# Altium PCB PCB.PcbDoc (part 9 of 10)
Units mil, origin at the board's own origin, x right, y up, seen from the top; angles counter-clockwise.
Board outline 4370.08 x 4921.26 mil, 6 copper layers (Component Side, Ground Plane I, Signal Layer 1, Power Plane, Ground Plane II, Solder Side), stack 57.638 mil thick; 274 components, 415 nets, 1726 pads, 902 vias.
Unrouted connection lines stored in the file: 2.
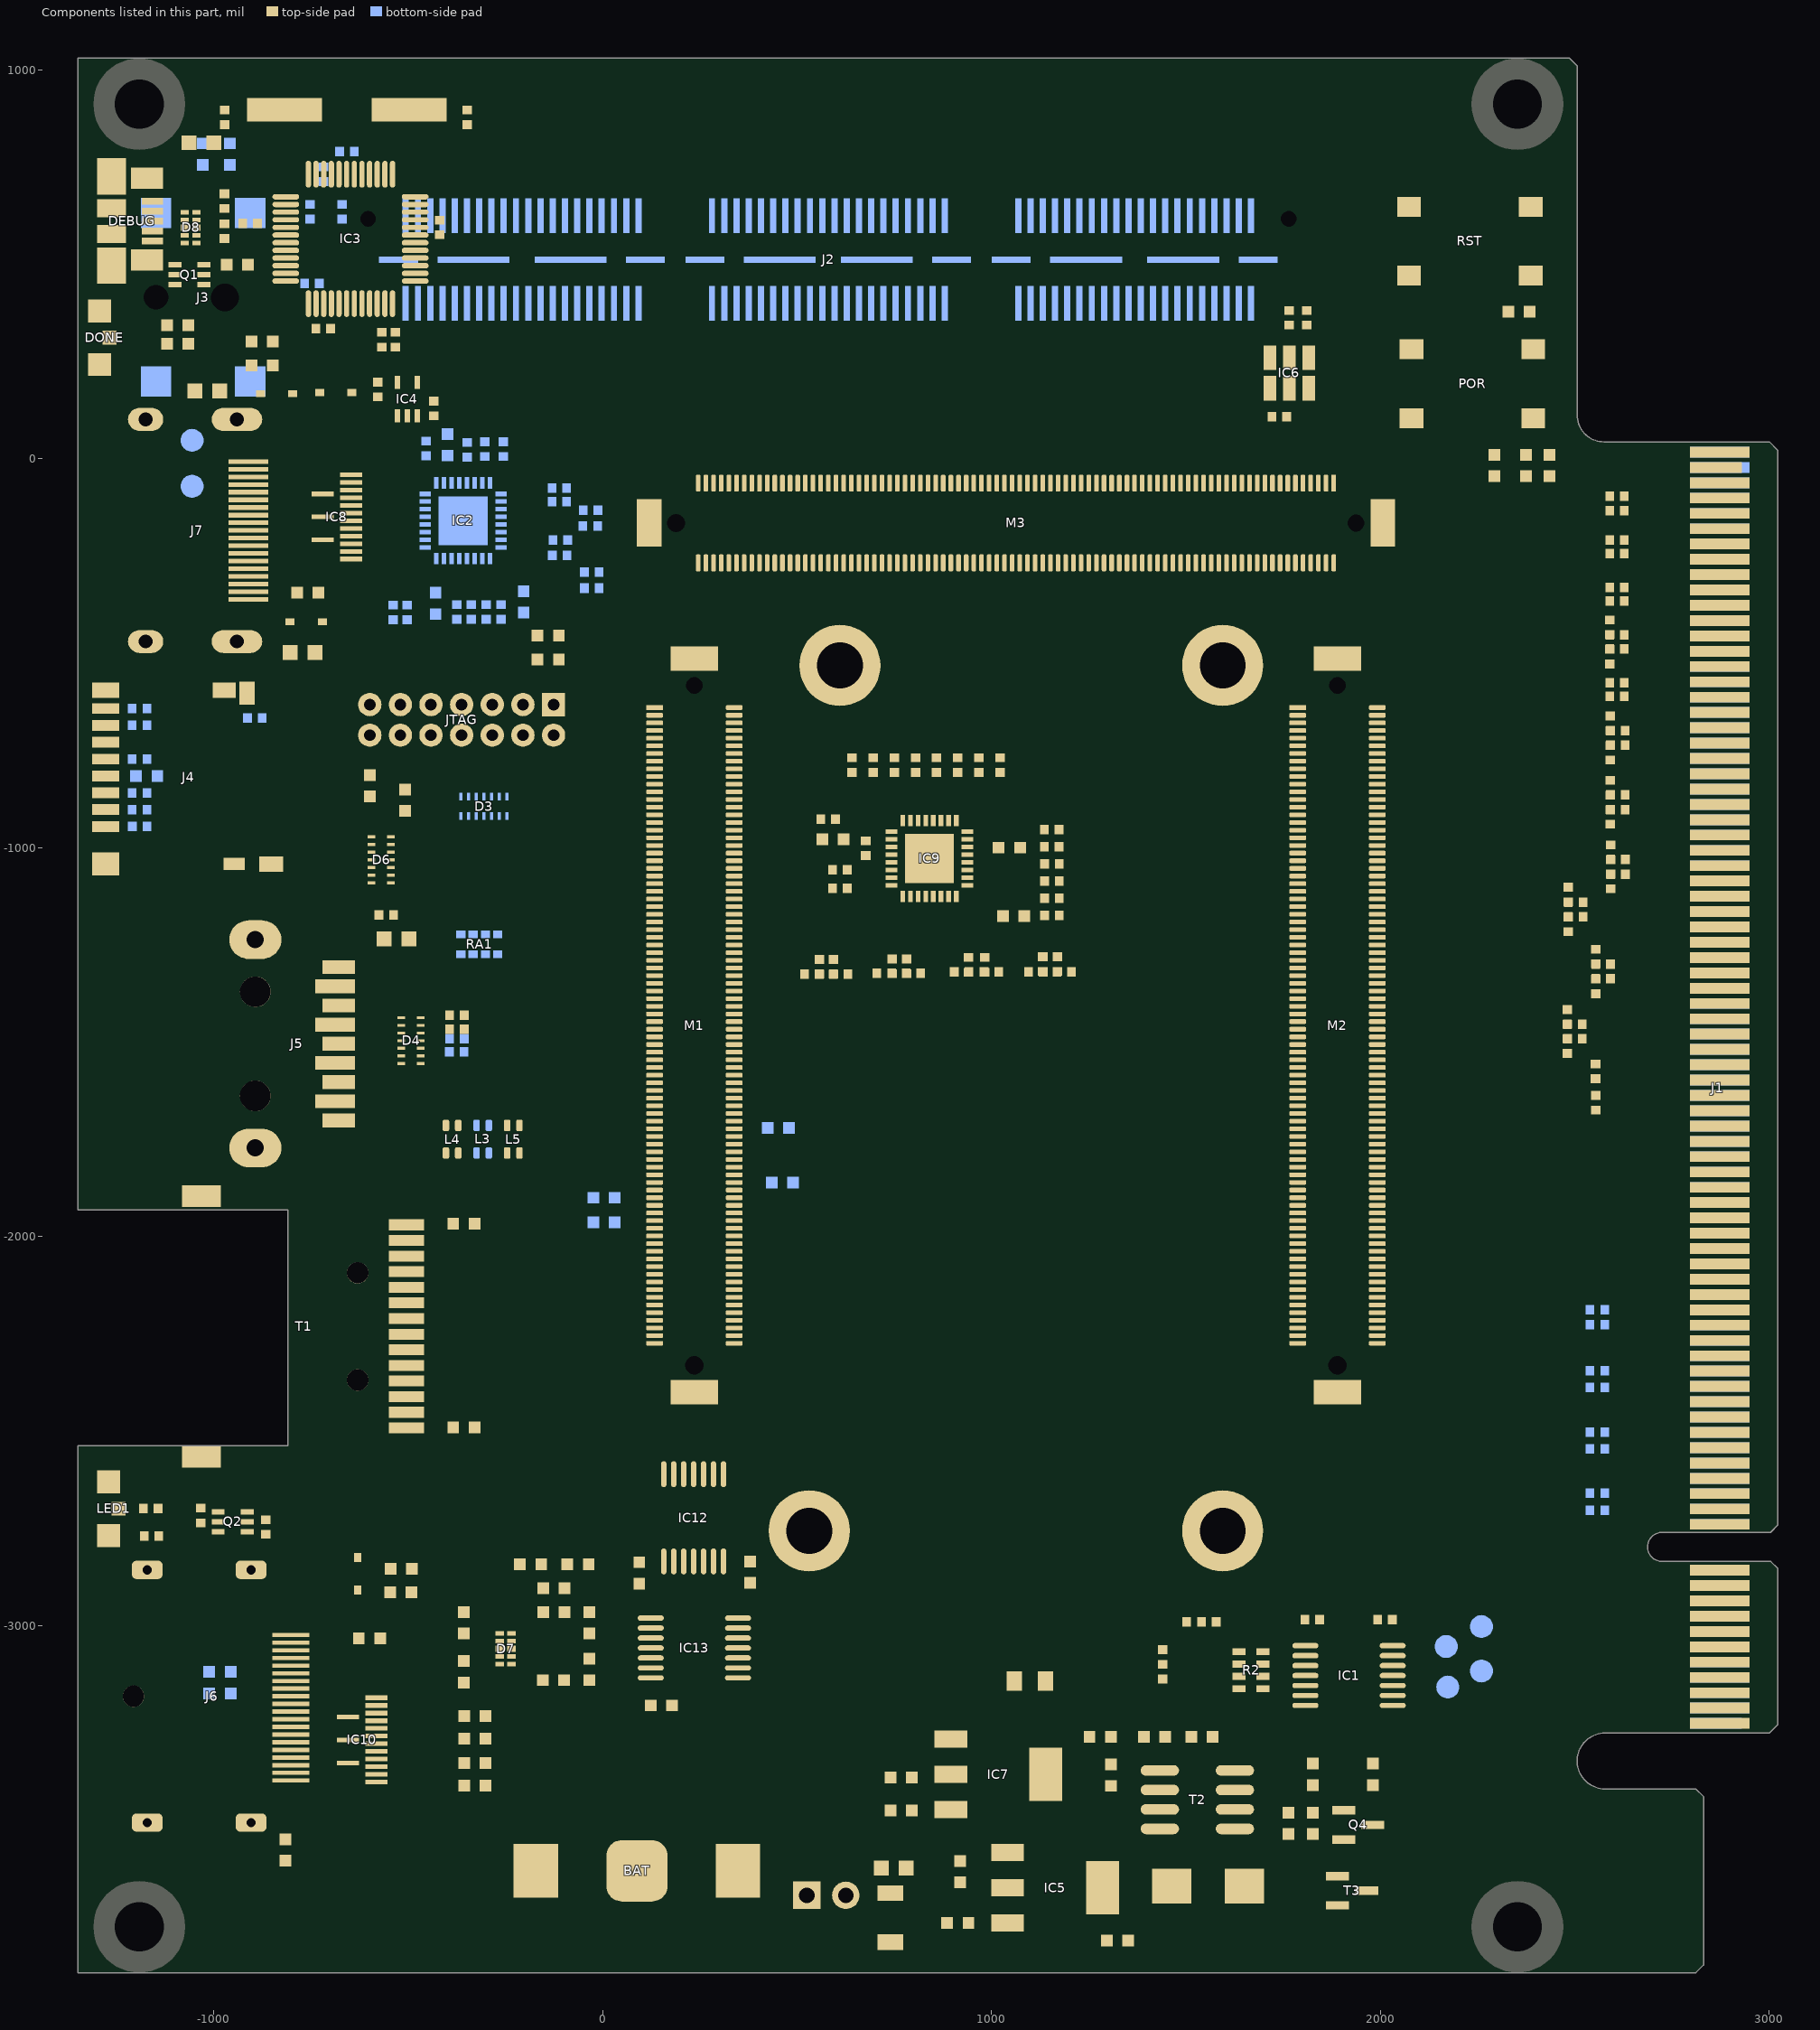
[diagram p13: the components of this part, seen from the top]

## Via types
v1: diameter 23.62, hole 9.84, Component Side to Solder Side, 902 vias

## Nets (pads, with @x,y where several pads share a name; then routed paths per layer and width w, separated by ;. In a path a pad name is that pad's centre, name@x,y a point inside that pad or via, vN(x,y) a via of type N, cw(c..) or ccw(c..) an arc to the next point about the centre after c; other vN are vias at no path point) (continued)
copper on no net: (continued)
  Component Side w0.39: 543.53,808.28 549.43,808.28 ; 543.53,808.68 549.43,808.68 ; 543.53,809.07 549.43,809.07 ; 543.53,809.46 549.43,809.46 ; 543.53,809.85 549.43,809.85 ; 543.53,810.25 549.43,810.25 ; 543.53,810.64 549.43,810.64 ; 543.53,811.03 549.43,811.03 ; 543.53,811.43 549.43,811.43 ; 543.53,811.82 549.43,811.82 ; 543.53,812.21 549.43,812.21 ; 543.53,817.71 549.43,817.71 ; 543.53,818.1 549.43,818.1 ; 543.53,818.5 549.43,818.5 ; 543.53,818.89 549.43,818.89 ; 543.53,819.28 549.43,819.28 ; 543.53,819.67 549.43,819.67 ; 543.53,820.07 549.43,820.07 ; 543.53,820.46 549.43,820.46 ; 543.53,820.85 549.43,820.85 ; 543.53,821.25 549.43,821.25 ; 543.53,821.64 549.43,821.64 ; 543.53,855.42 546.28,855.42 ; 543.53,868.38 549.82,868.38 ; 543.53,868.78 549.82,868.78 ; 543.53,869.17 549.82,869.17 ; 543.53,869.56 549.43,869.56 ; 543.93,855.81 545.89,855.81 ; 543.93,866.81 549.82,866.81 ; 543.93,867.21 549.82,867.21 ; 543.93,867.6 549.82,867.6 ; 543.93,867.99 549.82,867.99 ; 544.32,856.21 545.5,856.21 ; 555.71,848.74 561.6,848.74 ; 555.71,849.14 561.6,849.14 ; 555.71,849.53 561.6,849.53 ; 555.71,849.92 561.6,849.92 ; 555.71,850.31 561.6,850.31 ; 555.71,850.71 561.6,850.71 ; 555.71,851.1 561.6,851.1 ; 555.71,851.49 561.6,851.49 ; 555.71,851.89 561.6,851.89 ; 555.71,852.28 561.6,852.28 ; 555.71,852.67 561.6,852.67 ; 555.71,853.06 561.6,853.06 ; 555.71,853.46 561.6,853.46 ; 555.71,853.85 561.6,853.85 ; 555.71,854.24 561.6,854.24 ; 555.71,854.64 561.6,854.64 ; 555.71,855.03 561.6,855.03 ; 555.71,855.42 561.6,855.42 ; 555.71,855.81 561.6,855.81 ; 555.71,856.21 561.6,856.21 ; 555.71,856.6 561.6,856.6 ; 555.71,856.99 561.6,856.99 ; 555.71,857.38 561.6,857.38 ; 555.71,857.78 561.6,857.78 ; 555.71,858.17 561.6,858.17 ; 555.71,858.56 561.6,858.56 ; 555.71,858.96 561.6,858.96 ; 555.71,859.35 561.6,859.35 ; 555.71,859.74 561.6,859.74 ; 555.71,860.13 561.6,860.13 ; 555.71,860.53 561.6,860.53 ; 555.71,860.92 561.6,860.92 ; 555.71,861.31 561.6,861.31 ; 555.71,861.71 561.6,861.71 ; 555.71,862.1 561.6,862.1 ; 555.71,862.49 561.6,862.49 ; 555.71,862.88 561.6,862.88 ; 555.71,863.28 561.6,863.28 ; 555.71,863.67 561.6,863.67 ; 555.71,864.06 561.6,864.06 ; 555.71,864.46 561.6,864.46 ; 555.71,864.85 561.6,864.85 ; 555.71,865.24 561.6,865.24 ; 555.71,865.63 561.6,865.63 ; 555.71,866.03 561.6,866.03 ; 555.71,866.42 561.6,866.42 ; 555.71,866.81 561.6,866.81 ; 555.71,867.21 561.6,867.21 ; 555.71,867.6 561.6,867.6 ; 555.71,867.99 561.6,867.99 ; 555.71,868.38 561.6,868.38 ; 555.71,868.78 561.6,868.78 ; 555.71,869.17 562,869.17 ; 555.71,869.56 562,869.56 ; 555.71,869.96 562,869.96 ; 555.71,870.35 562.39,870.35 ; 555.71,870.74 562.39,870.74 ; 555.71,871.13 562.78,871.13 ; 555.71,871.53 563.17,871.53 ; 555.71,871.92 563.57,871.92 ; 555.71,872.31 563.96,872.31 ; 555.71,872.7 564.35,872.7 ; 555.71,873.1 565.14,873.1 ; 555.71,873.49 566.32,873.49 ; 555.71,873.88 578.89,873.88 ; 555.71,874.28 578.89,874.28 ; 555.71,874.67 578.49,874.67 ; 555.71,875.06 578.49,875.06 ; 555.71,875.45 578.1,875.45 ; 555.71,875.85 577.71,875.85 ; 555.71,876.24 561.6,876.24 ; 555.71,876.63 561.6,876.63 ; 555.71,877.03 561.6,877.03 ; 555.71,877.42 561.6,877.42 ; 555.71,877.81 561.6,877.81 ; 555.71,878.2 561.6,878.2 ; 555.71,878.6 561.6,878.6 ; 555.71,878.99 561.6,878.99 ; 556.5,799.25 562.78,799.25 ; 556.5,799.64 562.78,799.64 ; 556.5,800.03 562.78,800.03 ; 556.5,800.43 562.78,800.43 ; 556.5,800.82 562.78,800.82 ; 556.5,801.21 562.78,801.21 ; 556.5,801.6 562.78,801.6 ; 556.5,802 562.78,802 ; 556.5,802.39 562.78,802.39 ; 556.5,802.78 562.78,802.78 ; 556.5,803.18 562.78,803.18 ; 556.5,803.57 562.78,803.57 ; 556.5,803.96 562.78,803.96 ; 556.5,804.35 562.78,804.35 ; 556.5,804.75 562.78,804.75 ; 556.5,805.14 562.78,805.14 ; 556.5,805.53 562.78,805.53 ; 556.5,805.93 562.78,805.93 ; 556.5,806.32 562.78,806.32 ; 556.5,806.71 562.78,806.71 ; 556.5,807.1 562.78,807.1 ; 556.5,807.5 562.78,807.5 ; 556.5,807.89 562.78,807.89 ; 556.5,808.28 562.78,808.28 ; 556.5,808.68 562.78,808.68 ; 556.5,809.07 562.78,809.07 ; 556.5,809.46 562.78,809.46 ; 556.5,809.85 562.78,809.85 ; 556.5,810.25 562.78,810.25 ; 556.5,810.64 562.78,810.64 ; 556.5,811.03 562.78,811.03 ; 556.5,811.43 562.78,811.43 ; 556.5,811.82 562.78,811.82 ; 556.5,812.21 562.78,812.21 ; 556.5,812.6 562.78,812.6 ; 556.5,813 562.78,813 ; 556.5,813.39 562.78,813.39 ; 556.5,813.78 562.78,813.78 ; 556.5,814.18 562.78,814.18 ; 556.5,814.57 562.78,814.57 ; 556.5,814.96 562.78,814.96 ; 556.5,815.35 562.78,815.35 ; 556.5,815.75 562.78,815.75 ; 556.5,816.14 562.78,816.14 ; 556.5,816.53 562.78,816.53 ; 556.5,816.92 562.78,816.92 ; 556.5,817.32 562.78,817.32 ; 556.5,817.71 562.78,817.71 ; 556.5,818.1 562.78,818.1 ; 556.5,818.5 562.78,818.5 ; 556.5,818.89 562.78,818.89 ; 556.5,819.28 562.78,819.28 ; 556.5,819.67 562.78,819.67 ; 556.5,820.07 562.78,820.07 ; 556.5,820.46 563.17,820.46 ; 556.5,820.85 563.17,820.85 ; 556.5,821.25 563.57,821.25 ; 556.5,821.64 563.57,821.64 ; 556.5,822.03 563.96,822.03 ; 556.5,822.42 564.35,822.42 ; 556.5,822.82 564.35,822.82 ; 556.5,823.21 565.14,823.21 ; 556.5,823.6 565.53,823.6 ; 556.5,824 566.32,824 ; 556.5,824.39 568.28,824.39 ; 556.5,824.78 574.57,824.78 ; 556.5,825.17 574.96,825.17 ; 556.5,825.57 574.96,825.57 ; 556.5,825.96 575.35,825.96 ; 556.5,826.35 575.74,826.35 ; 556.5,826.75 576.14,826.75 ; 556.5,827.14 562.78,827.14 ; 556.5,827.53 562.78,827.53 ; 556.5,827.92 562.78,827.92 ; 556.5,828.32 562.78,828.32 ; 556.5,828.71 562.78,828.71 ; 556.5,829.1 562.78,829.1 ; 556.5,829.49 562.78,829.49 ; 556.5,829.89 562.78,829.89 ; 562,876.24 577.32,876.24 ; 562.39,876.63 576.92,876.63 ; 562.78,877.03 576.92,877.03 ; 563.17,827.14 576.53,827.14 ; 563.17,877.42 576.14,877.42 ; 563.57,827.53 576.92,827.53 ; 563.96,827.92 576.92,827.92 ; 563.96,877.81 575.74,877.81 ; 564.35,828.32 576.92,828.32 ; 564.35,878.2 574.96,878.2 ; 565.14,828.71 576.53,828.71 ; 565.14,878.6 574.17,878.6 ; 565.92,829.1 575.74,829.1 ; 565.92,878.99 573.39,878.99 ; 566.32,829.49 574.96,829.49 ; 567.5,829.89 574.17,829.89 ; 567.5,879.38 572.21,879.38 ; 569.46,824.39 574.17,824.39 ; 569.46,830.28 572.6,830.28 ; 569.46,873.49 579.28,873.49 ; 570.64,873.1 579.28,873.1 ; 571.03,824 573.78,824 ; 571.42,872.7 579.67,872.7 ; 571.82,823.6 573.39,823.6 ; 571.82,872.31 579.67,872.31 ; 572.21,871.92 579.67,871.92 ; 572.6,823.21 572.99,823.21 ; 572.6,871.53 580.07,871.53 ; 572.99,870.74 580.07,870.74 ; 572.99,871.13 580.07,871.13 ; 573.39,869.96 580.07,869.96 ; 573.39,870.35 580.07,870.35 ; 573.78,868.78 580.07,868.78 ; 573.78,869.17 580.07,869.17 ; 573.78,869.56 580.07,869.56 ; 574.17,848.74 580.07,848.74 ; 574.17,849.14 580.07,849.14 ; 574.17,849.53 580.07,849.53 ; 574.17,849.92 580.07,849.92 ; 574.17,850.31 580.07,850.31 ; 574.17,850.71 580.07,850.71 ; 574.17,851.1 580.07,851.1 ; 574.17,851.49 580.07,851.49 ; 574.17,851.89 580.07,851.89 ; 574.17,852.28 580.07,852.28 ; 574.17,852.67 580.07,852.67 ; 574.17,853.06 580.07,853.06 ; 574.17,853.46 580.07,853.46 ; 574.17,853.85 580.07,853.85 ; 574.17,854.24 580.07,854.24 ; 574.17,854.64 580.07,854.64 ; 574.17,855.03 580.07,855.03 ; 574.17,855.42 580.07,855.42 ; 574.17,855.81 580.07,855.81 ; 574.17,856.21 580.07,856.21 ; 574.17,856.6 580.07,856.6 ; 574.17,856.99 580.07,856.99 ; 574.17,857.38 580.07,857.38 ; 574.17,857.78 580.07,857.78 ; 574.17,858.17 580.07,858.17 ; 574.17,858.56 580.07,858.56 ; 574.17,858.96 580.07,858.96 ; 574.17,859.35 580.07,859.35 ; 574.17,859.74 580.07,859.74 ; 574.17,860.13 580.07,860.13 ; 574.17,860.53 580.07,860.53 ; 574.17,860.92 580.07,860.92 ; 574.17,861.31 580.07,861.31 ; 574.17,861.71 580.07,861.71 ; 574.17,862.1 580.07,862.1 ; 574.17,862.49 580.07,862.49 ; 574.17,862.88 580.07,862.88 ; 574.17,863.28 580.07,863.28 ; 574.17,863.67 580.07,863.67 ; 574.17,864.06 580.07,864.06 ; 574.17,864.46 580.07,864.46 ; 574.17,864.85 580.07,864.85 ; 574.17,865.24 580.07,865.24 ; 574.17,865.63 580.07,865.63 ; 574.17,866.03 580.07,866.03 ; 574.17,866.42 580.07,866.42 ; 574.17,866.81 580.07,866.81 ; 574.17,867.21 580.07,867.21 ; 574.17,867.6 580.07,867.6 ; 574.17,867.99 580.07,867.99 ; 574.17,868.38 580.07,868.38 ; 577.71,809.85 583.99,809.85 ; 577.71,810.25 583.99,810.25 ; 577.71,810.64 583.99,810.64 ; 577.71,811.03 583.99,811.03 ; 577.71,811.43 583.99,811.43 ; 577.71,811.82 583.99,811.82 ; 577.71,812.21 583.99,812.21 ; 577.71,812.6 583.99,812.6 ; 577.71,813 583.99,813 ; 577.71,813.39 583.99,813.39 ; 577.71,813.78 583.6,813.78 ; 577.71,814.18 583.6,814.18 ; 577.71,814.57 583.6,814.57 ; 577.71,814.96 583.6,814.96 ; 577.71,815.35 583.6,815.35 ; 577.71,815.75 583.6,815.75 ; 577.71,816.14 583.99,816.14 ; 577.71,816.53 583.99,816.53 ; 577.71,816.92 583.99,816.92 ; 577.71,817.32 583.99,817.32 ; 577.71,817.71 583.99,817.71 ; 577.71,818.1 583.99,818.1 ; 577.71,818.5 583.99,818.5 ; 577.71,818.89 583.99,818.89 ; 577.71,819.28 583.99,819.28 ; 578.1,806.71 585.56,806.71 ; 578.1,807.1 585.17,807.1 ; 578.1,807.5 584.78,807.5 ; 578.1,807.89 584.78,807.89 ; 578.1,808.28 584.39,808.28 ; 578.1,808.68 584.39,808.68 ; 578.1,809.07 584.39,809.07 ; 578.1,809.46 583.99,809.46 ; 578.1,819.67 583.99,819.67 ; 578.1,820.07 584.39,820.07 ; 578.1,820.46 584.39,820.46 ; 578.1,820.85 584.39,820.85 ; 578.1,821.25 584.78,821.25 ; 578.1,821.64 584.78,821.64 ; 578.1,822.03 585.17,822.03 ; 578.1,822.42 585.17,822.42 ; 578.49,805.53 586.74,805.53 ; 578.49,805.93 586.35,805.93 ; 578.49,806.32 585.96,806.32 ; 578.49,822.82 585.56,822.82 ; 578.49,823.21 585.96,823.21 ; 578.49,823.6 586.74,823.6 ; 578.49,824 587.53,824 ; 578.89,804.35 602.46,804.35 ; 578.89,804.75 602.46,804.75 ; 578.89,805.14 587.92,805.14 ; 578.89,824.39 589.49,824.39 ; 578.89,824.78 602.46,824.78 ; 579.28,803.96 602.46,803.96 ; 579.28,825.17 602.46,825.17 ; 579.28,825.57 602.46,825.57 ; 579.67,803.18 602.46,803.18 ; 579.67,803.57 602.46,803.57 ; 579.67,825.96 602.46,825.96 ; 580.07,802.78 602.46,802.78 ; 580.07,826.35 602.46,826.35 ; 580.07,826.75 602.46,826.75 ; 580.46,802.39 602.46,802.39 ; 580.46,827.14 595.78,827.14 ; 580.85,802 595.78,802 ; 580.85,827.53 595.39,827.53 ; 581.24,801.6 595.39,801.6 ; 581.24,827.92 594.99,827.92 ; 581.64,801.21 594.99,801.21 ; 582.03,800.82 594.21,800.82 ; 582.03,828.32 594.21,828.32 ; 582.42,800.43 593.81,800.43 ; 582.42,828.71 593.81,828.71 ; 583.21,800.03 593.03,800.03 ; 583.21,829.1 593.03,829.1 ; 583.99,799.64 592.24,799.64 ; 583.99,829.49 592.24,829.49 ; 584.78,829.89 591.06,829.89 ; 585.17,799.25 591.06,799.25 ; 586.74,830.28 589.49,830.28 ; 587.92,798.85 588.71,798.85 ; 590.67,824.39 602.46,824.39 ; 592.24,805.14 602.46,805.14 ; 592.64,824 602.46,824 ; 593.42,805.53 602.46,805.53 ; 593.42,823.6 602.46,823.6 ; 593.81,805.93 602.46,805.93 ; 593.81,823.21 602.46,823.21 ; 594.21,806.32 602.46,806.32 ; 594.6,806.71 602.46,806.71 ; 594.6,822.42 602.46,822.42 ; 594.6,822.82 602.46,822.82 ; 594.99,807.1 602.46,807.1 ; 594.99,807.5 602.46,807.5 ; 594.99,822.03 602.46,822.03 ; 595.39,807.89 602.46,807.89 ; 595.39,821.25 602.46,821.25 ; 595.39,821.64 602.46,821.64 ; 595.78,808.28 602.46,808.28 ; 595.78,808.68 602.46,808.68 ; 595.78,809.07 602.46,809.07 ; 595.78,809.46 602.46,809.46 ; 595.78,820.07 602.46,820.07 ; 595.78,820.46 602.46,820.46 ; 595.78,820.85 602.46,820.85 ; 596.17,809.85 602.46,809.85 ; 596.17,810.25 602.46,810.25 ; 596.17,810.64 602.46,810.64 ; 596.17,811.03 602.46,811.03 ; 596.17,811.43 602.46,811.43 ; 596.17,811.82 602.46,811.82 ; 596.17,812.21 602.46,812.21 ; 596.17,812.6 602.46,812.6 ; 596.17,813 602.46,813 ; 596.17,813.39 602.46,813.39 ; 596.17,815.75 602.46,815.75 ; 596.17,816.14 602.46,816.14 ; 596.17,816.53 602.46,816.53 ; 596.17,816.92 602.46,816.92 ; 596.17,817.32 602.46,817.32 ; 596.17,817.71 602.46,817.71 ; 596.17,818.1 602.46,818.1 ; 596.17,818.5 602.46,818.5 ; 596.17,818.89 602.46,818.89 ; 596.17,819.28 602.46,819.28 ; 596.17,819.67 602.46,819.67 ; 596.56,799.25 602.46,799.25 ; 596.56,799.64 602.46,799.64 ; 596.56,800.03 602.46,800.03 ; 596.56,800.43 602.46,800.43 ; 596.56,800.82 602.46,800.82 ; 596.56,801.21 602.46,801.21 ; 596.56,801.6 602.46,801.6 ; 596.56,802 602.46,802 ; 596.56,813.78 602.46,813.78 ; 596.56,814.18 602.46,814.18 ; 596.56,814.57 602.46,814.57 ; 596.56,814.96 602.46,814.96 ; 596.56,815.35 602.46,815.35 ; 596.56,827.14 602.46,827.14 ; 596.56,827.53 602.46,827.53 ; 596.56,827.92 602.46,827.92 ; 596.56,828.32 602.46,828.32 ; 596.56,828.71 602.46,828.71 ; 596.56,829.1 602.46,829.1 ; 596.56,829.49 602.46,829.49 ; 596.56,829.89 602.46,829.89 ; 596.56,830.28 602.46,830.28 ; 596.56,830.67 602.46,830.67 ; 596.56,831.07 602.46,831.07 ; 596.56,831.46 602.46,831.46 ; 596.56,831.85 602.46,831.85 ; 596.56,832.24 602.46,832.24 ; 596.56,832.64 602.46,832.64 ; 596.56,833.03 602.46,833.03 ; 596.56,833.42 602.46,833.42 ; 596.56,833.82 602.46,833.82 ; 596.56,834.21 602.46,834.21 ; 596.56,834.6 602.46,834.6 ; 596.56,834.99 602.46,834.99 ; 596.56,835.39 602.46,835.39 ; 596.56,835.78 602.46,835.78 ; 596.56,836.17 602.46,836.17 ; 596.56,836.57 602.46,836.57 ; 596.56,836.96 602.46,836.96 ; 596.56,837.35 602.46,837.35 ; 596.56,837.74 602.46,837.74 ; 596.56,838.14 602.46,838.14 ; 596.56,838.53 602.46,838.53 ; 596.56,838.92 602.46,838.92 ; 596.56,839.32 602.46,839.32 ; 596.56,839.71 602.46,839.71 ; 596.56,840.1 602.46,840.1 ; 596.56,840.49 602.46,840.49 ; 596.56,840.89 602.46,840.89 ; 596.56,841.28 602.46,841.28 ; 596.56,841.67 602.46,841.67 ; 596.56,842.06 602.46,842.06 ; 596.56,842.46 602.46,842.46 ; 597.35,853.46 622.88,853.46 ; 597.74,853.85 609.13,853.85 ; 598.13,853.06 622.49,853.06 ; 598.13,854.24 607.56,854.24 ; 598.53,852.67 622.1,852.67 ; 598.53,854.64 605.99,854.64 ; 598.92,852.28 621.7,852.28 ; 598.92,855.03 605.21,855.03 ; 599.31,851.89 621.7,851.89 ; 599.31,855.42 604.42,855.42 ; 599.31,869.17 605.6,869.17 ; 599.31,869.56 605.6,869.56 ; 599.31,869.96 605.6,869.96 ; 599.31,870.35 605.6,870.35 ; 599.31,870.74 605.6,870.74 ; 599.31,871.13 605.6,871.13 ; 599.71,855.81 604.03,855.81 ; 599.71,867.6 607.56,867.6 ; 599.71,867.99 606.78,867.99 ; 599.71,868.38 605.99,868.38 ; 599.71,868.78 605.99,868.78 ; 599.71,871.53 605.6,871.53 ; 599.71,871.92 605.99,871.92 ; 599.71,872.31 605.99,872.31 ; 599.71,872.7 606.38,872.7 ; 599.71,873.1 606.78,873.1 ; 600.1,851.49 621.31,851.49 ; 600.1,856.21 603.24,856.21 ; 600.1,866.42 616.6,866.42 ; 600.1,866.81 613.06,866.81 ; 600.1,867.21 608.74,867.21 ; 600.1,873.49 607.56,873.49 ; 600.1,873.88 609.53,873.88 ; 600.1,874.28 621.7,874.28 ; 600.49,851.1 620.53,851.1 ; 600.49,856.6 602.85,856.6 ; 600.49,865.63 618.95,865.63 ; 600.49,866.03 618.17,866.03 ; 600.49,874.67 622.1,874.67 ; 600.88,856.99 602.46,856.99 ; 600.88,865.24 619.74,865.24 ; 600.88,875.06 622.49,875.06 ; 600.88,875.45 622.88,875.45 ; 601.28,850.71 620.13,850.71 ; 601.28,857.38 602.06,857.38 ; 601.28,864.85 620.53,864.85 ; 601.28,875.85 622.49,875.85 ; 601.67,864.46 620.92,864.46 ; 601.67,876.24 622.1,876.24 ; 602.06,850.31 619.74,850.31 ; 602.06,864.06 621.31,864.06 ; 602.06,876.63 621.31,876.63 ; 602.46,863.67 621.7,863.67 ; 602.46,877.03 620.92,877.03 ; 602.85,849.92 618.95,849.92 ; 602.85,863.28 622.1,863.28 ; 602.85,877.42 620.13,877.42 ; 603.63,849.53 618.17,849.53 ; 603.63,862.88 622.1,862.88 ; 603.63,877.81 619.35,877.81 ; 604.03,878.2 618.56,878.2 ; 604.42,862.49 622.49,862.49 ; 604.81,849.14 617.38,849.14 ; 605.21,862.1 622.88,862.1 ; 605.21,878.6 617.38,878.6 ; 605.99,829.89 612.28,829.89 ; 605.99,848.74 616.2,848.74 ; 605.99,878.99 616.2,878.99 ; 606.38,828.71 612.67,828.71 ; 606.38,829.1 612.67,829.1 ; 606.38,829.49 612.67,829.49 ; 606.78,827.53 613.06,827.53 ; 606.78,827.92 613.06,827.92 ; 606.78,828.32 613.06,828.32 ; 606.78,861.71 622.88,861.71 ; 607.17,826.35 613.45,826.35 ; 607.17,826.75 613.45,826.75 ; 607.17,827.14 613.06,827.14 ; 607.56,825.17 613.85,825.17 ; 607.56,825.57 613.45,825.57 ; 607.56,825.96 613.45,825.96 ; 607.56,848.35 614.24,848.35 ; 607.96,823.6 614.24,823.6 ; 607.96,824 614.24,824 ; 607.96,824.39 613.85,824.39 ; 607.96,824.78 613.85,824.78 ; 607.96,879.38 614.63,879.38 ; 608.35,822.42 614.63,822.42 ; 608.35,822.82 614.24,822.82 ; 608.35,823.21 614.24,823.21 ; 608.74,821.25 614.63,821.25 ; 608.74,821.64 614.63,821.64 ; 608.74,822.03 614.63,822.03 ; 609.13,820.07 615.03,820.07 ; 609.13,820.46 615.03,820.46 ; 609.13,820.85 615.03,820.85 ; 609.53,818.89 615.42,818.89 ; 609.53,819.28 615.42,819.28 ; 609.53,819.67 615.42,819.67 ; 609.92,817.71 615.81,817.71 ; 609.92,818.1 615.81,818.1 ; 609.92,818.5 615.42,818.5 ; 610.31,816.53 616.2,816.53 ; 610.31,816.92 615.81,816.92 ; 610.31,817.32 615.81,817.32 ; 610.31,861.31 622.88,861.31 ; 610.71,814.96 616.6,814.96 ; 610.71,815.35 616.6,815.35 ; 610.71,815.75 616.2,815.75 ; 610.71,816.14 616.2,816.14 ; 611.1,813.78 616.99,813.78 ; 611.1,814.18 616.6,814.18 ; 611.1,814.57 616.6,814.57 ; 611.49,812.6 616.99,812.6 ; 611.49,813 616.99,813 ; 611.49,813.39 616.99,813.39 ; 611.88,811.43 617.38,811.43 ; 611.88,811.82 617.38,811.82 ; 611.88,812.21 617.38,812.21 ; 612.28,810.25 617.78,810.25 ; 612.28,810.64 617.78,810.64 ; 612.28,811.03 617.78,811.03 ; 612.67,809.07 618.17,809.07 ; 612.67,809.46 618.17,809.46 ; 612.67,809.85 617.78,809.85 ; 612.67,873.88 621.31,873.88 ; 613.06,807.89 623.67,807.89 ; 613.06,808.28 624.06,808.28 ; 613.06,808.68 618.17,808.68 ; 613.45,806.71 623.67,806.71 ; 613.45,807.1 623.67,807.1 ; 613.45,807.5 623.67,807.5 ; 613.45,853.85 622.88,853.85 ; 613.85,805.14 622.88,805.14 ; 613.85,805.53 623.28,805.53 ; 613.85,805.93 623.28,805.93 ; 613.85,806.32 623.28,806.32 ; 614.24,803.96 622.88,803.96 ; 614.24,804.35 622.88,804.35 ; 614.24,804.75 622.88,804.75 ; 614.24,860.92 623.28,860.92 ; 614.63,802.78 622.49,802.78 ; 614.63,803.18 622.49,803.18 ; 614.63,803.57 622.49,803.57 ; 614.63,854.24 622.88,854.24 ; 614.63,873.49 621.31,873.49 ; 615.03,801.6 622.1,801.6 ; 615.03,802 622.1,802 ; 615.03,802.39 622.1,802.39 ; 615.42,800.43 621.7,800.43 ; 615.42,800.82 621.7,800.82 ; 615.42,801.21 621.7,801.21 ; 615.81,799.25 621.31,799.25 ; 615.81,799.64 621.31,799.64 ; 615.81,800.03 621.7,800.03 ; 615.81,854.64 623.28,854.64 ; 615.81,860.53 623.28,860.53 ; 615.81,873.1 620.92,873.1 ; 616.2,855.03 623.28,855.03 ; 616.6,855.42 623.28,855.42 ; 616.6,860.13 623.28,860.13 ; 616.6,872.7 620.53,872.7 ; 616.99,855.81 623.67,855.81 ; 616.99,859.74 623.67,859.74 ; 617.38,856.21 623.67,856.21 ; 617.38,856.6 623.67,856.6 ; 617.38,858.56 623.67,858.56 ; 617.38,858.96 623.67,858.96 ; 617.38,859.35 623.67,859.35 ; 617.38,872.31 620.13,872.31 ; 617.78,856.99 623.67,856.99 ; 617.78,857.38 623.67,857.38 ; 617.78,857.78 623.67,857.78 ; 617.78,858.17 623.67,858.17 ; 618.17,871.92 619.74,871.92 ; 618.56,871.53 619.35,871.53 ; 618.95,808.68 624.06,808.68 ; 618.95,809.07 624.06,809.07 ; 618.95,809.46 624.45,809.46 ; 619.35,809.85 624.45,809.85 ; 619.35,810.25 624.45,810.25 ; 619.35,810.64 624.85,810.64 ; 619.74,811.03 624.85,811.03 ; 619.74,811.43 624.85,811.43 ; 619.74,811.82 624.85,811.82 ; 620.13,812.21 625.24,812.21 ; 620.13,812.6 625.24,812.6 ; 620.13,813 625.24,813 ; 620.53,813.39 625.63,813.39 ; 620.53,813.78 625.63,813.78 ; 620.53,814.18 625.63,814.18 ; 620.92,814.57 626.03,814.57 ; 620.92,814.96 626.03,814.96 ; 620.92,815.35 626.03,815.35 ; 621.31,815.75 626.03,815.75 ; 621.31,816.14 626.42,816.14 ; 621.31,816.53 626.42,816.53 ; 621.7,816.92 626.42,816.92 ; 621.7,817.32 626.81,817.32 ; 621.7,817.71 626.81,817.71 ; 621.7,818.1 626.81,818.1 ; 622.1,818.5 627.2,818.5 ; 622.1,818.89 627.2,818.89 ; 622.1,819.28 627.2,819.28 ; 622.49,819.67 627.2,819.67 ; 622.49,820.07 627.6,820.07 ; 622.49,820.46 627.6,820.46 ; 622.88,820.85 627.6,820.85 ; 622.88,821.25 633.1,821.25 ; 622.88,821.64 632.7,821.64 ; 623.28,822.03 632.7,822.03 ; 623.28,822.42 632.7,822.42 ; 623.28,822.82 632.31,822.82 ; 623.67,823.21 632.31,823.21 ; 623.67,823.6 632.31,823.6 ; 623.67,824 631.92,824 ; 624.06,824.39 631.92,824.39 ; 624.06,824.78 631.92,824.78 ; 624.06,825.17 631.52,825.17 ; 624.45,825.57 631.52,825.57 ; 624.45,825.96 631.52,825.96 ; 624.45,826.35 631.13,826.35 ; 624.85,826.75 631.13,826.75 ; 624.85,827.14 631.13,827.14 ; 624.85,827.53 631.13,827.53 ; 625.24,827.92 630.74,827.92 ; 625.24,828.32 630.74,828.32 